# Altium PCB PCB-Tester-Board.PcbDoc (part 5 of 7)
Units mm, origin at the board's own origin, x right, y up, seen from the top; angles counter-clockwise.
Board outline 400 x 300 mm, 8 copper layers (Top Layer, Inner1, Inner2, Inner3, Inner4, Inner5, Inner6, Bottom Layer), stack 1.515 mm thick; 757 components, 658 nets, 2830 pads, 1016 vias.
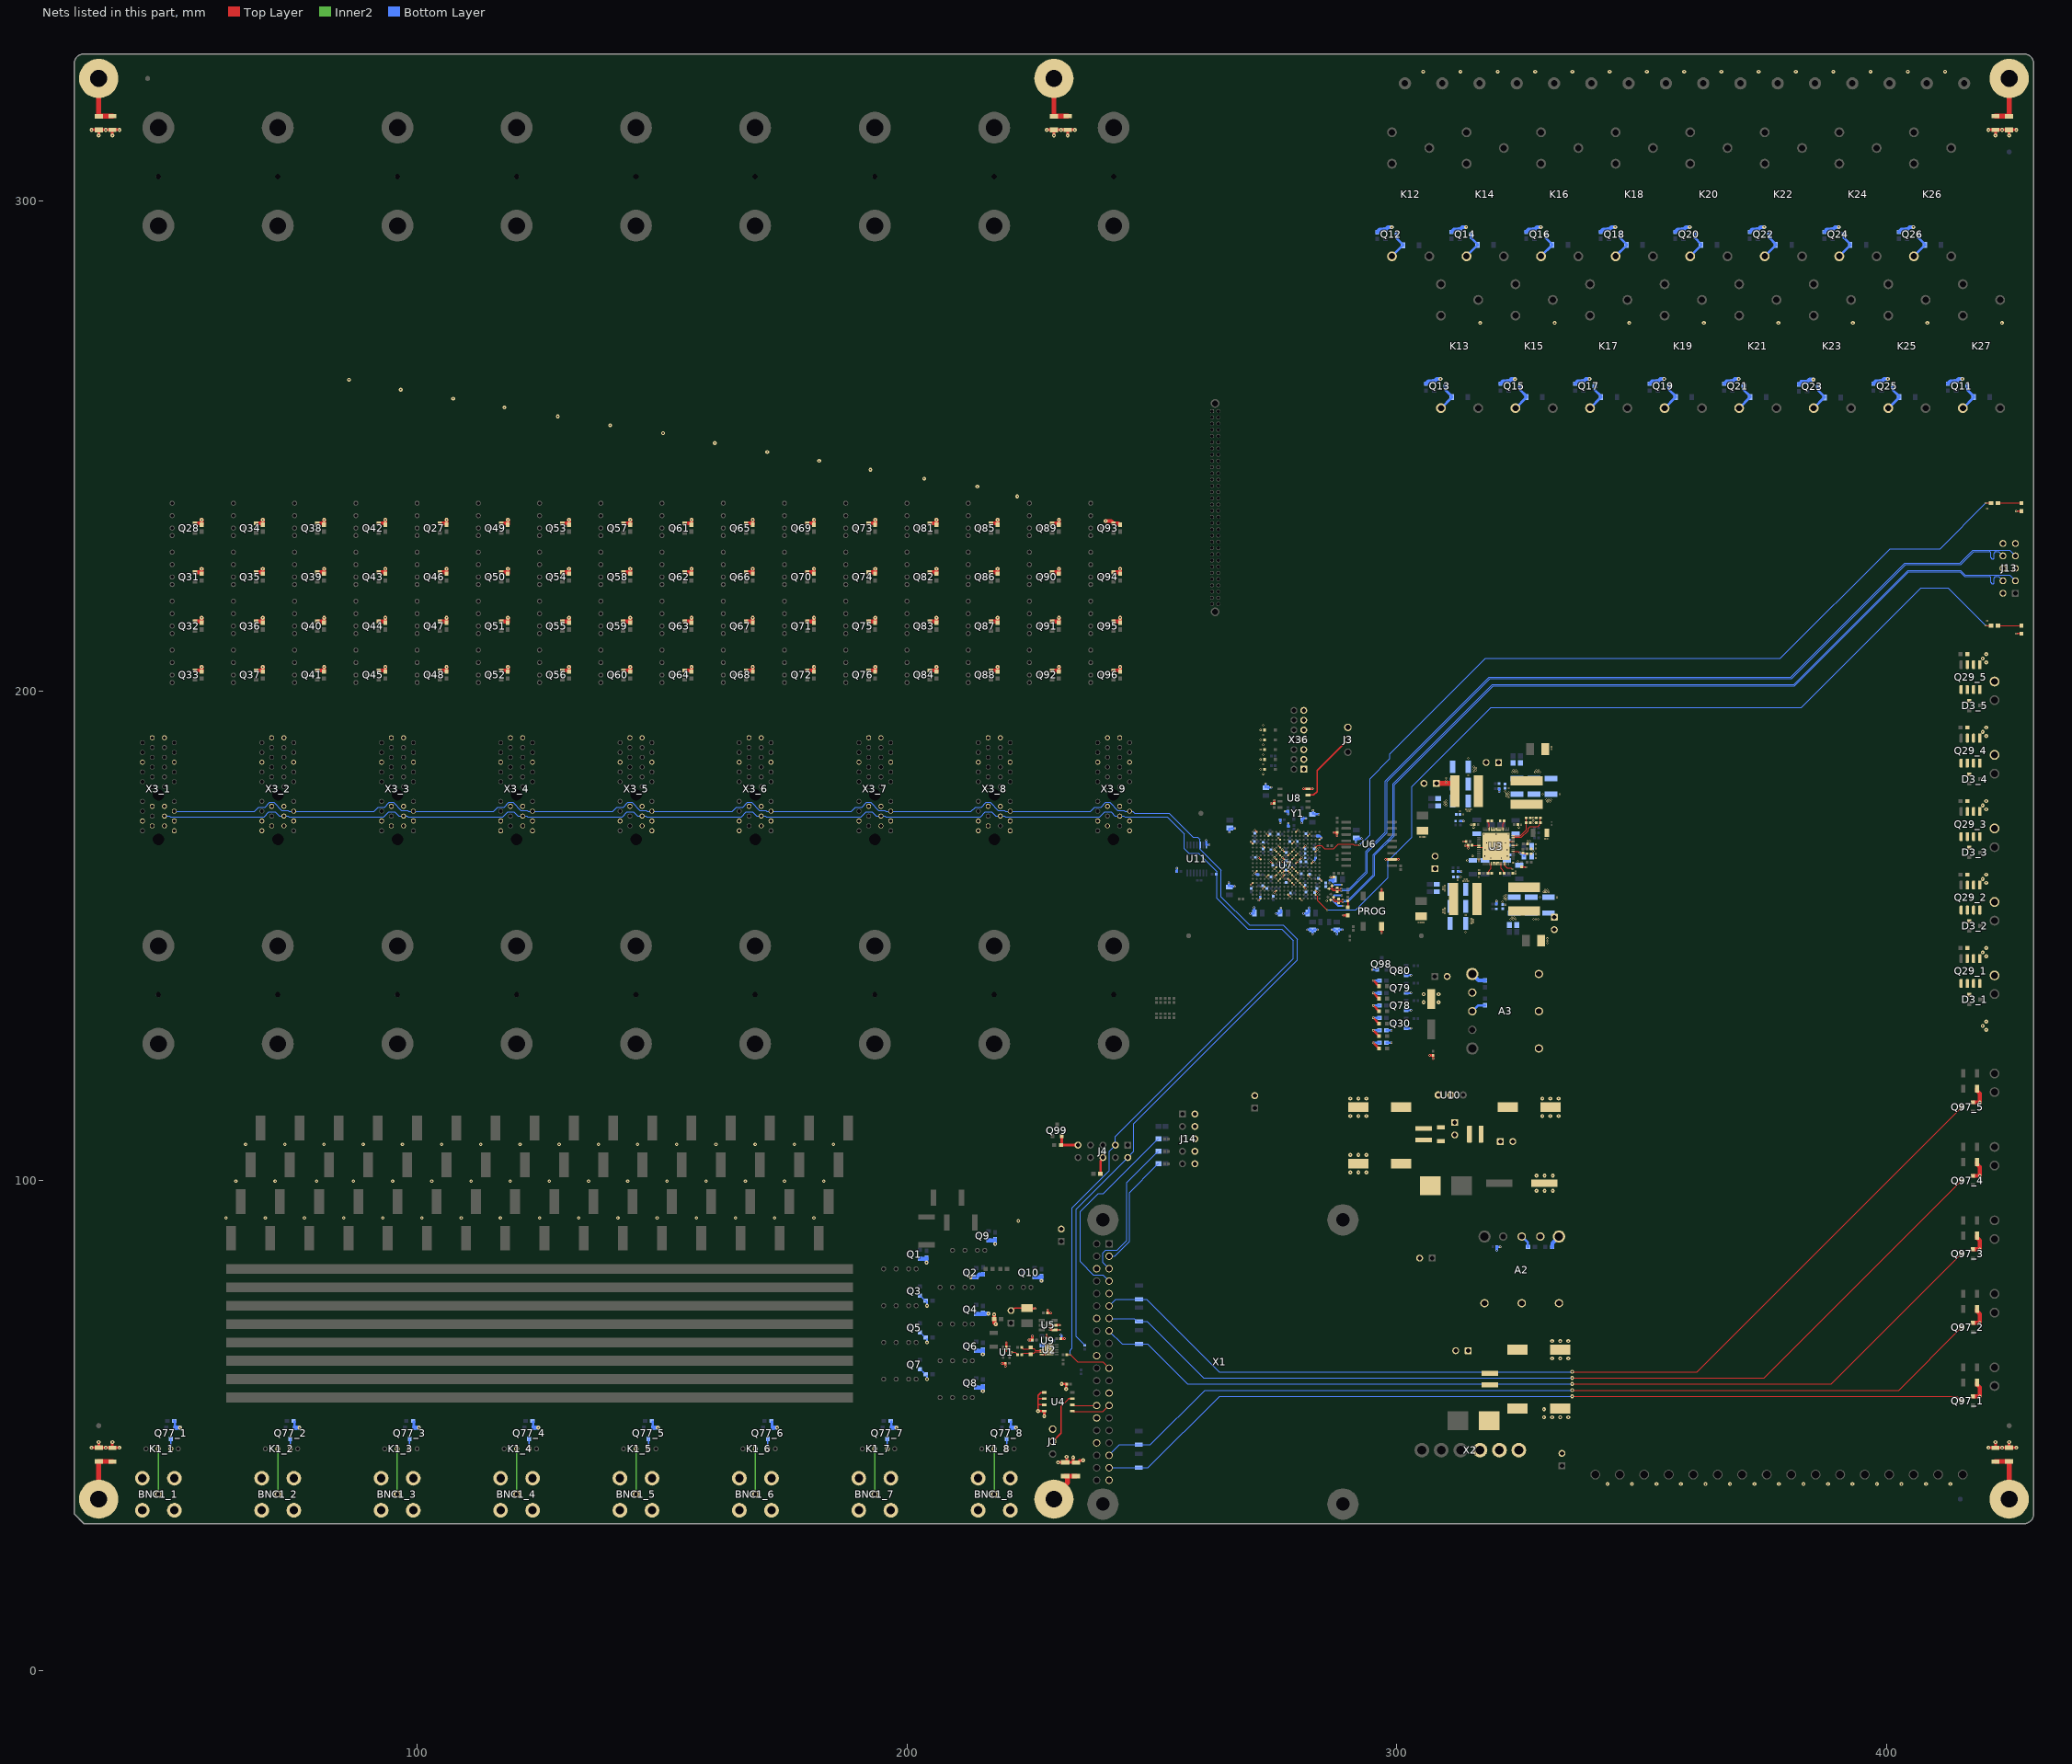
[diagram p11: the nets of this part, all layers, seen from the top]

## Via types
v1: diameter 0.4, hole 0.2, Top Layer to Bottom Layer, 601 vias
v2: diameter 0.8, hole 0.3, Top Layer to Bottom Layer, 361 vias
v3: diameter 0.7, hole 0.3, Top Layer to Bottom Layer, 54 vias

## Nets (pads, with @x,y where several pads share a name; then routed paths per layer and width w, separated by ;. In a path a pad name is that pad's centre, name@x,y a point inside that pad or via, vN(x,y) a via of type N, cw(c..) or ccw(c..) an arc to the next point about the centre after c; other vN are vias at no path point) (continued)
GND: A2.2 A2.3 A2.4 A3.2 A3.3 A3.4 BNC1_1.0 BNC1_2.0 BNC1_3.0 BNC1_4.0 BNC1_5.0 BNC1_6.0 BNC1_7.0 BNC1_8.0 C1.2 C2.2 C4.2 C5.2 C6.2 C7.2 C8.2 C9.2 C10.2 C11.2 C12.2 C13.2 C14.2 C15.2 C16.2 C17.2 C18.2 C19.2 C20.2 C21.2 C22.2 C23.2 C24.2 C25.2 C26.2 C27.2 C28.2 C29.2 C30.2 C31.2 C32.2 C33.2 C34.2 C35.2 C36.1 C37.2 C38.2 C39.2 C41.2 C42.2 C43.2 C44.2 C45.2 C47.2 C48.2 C49.2 C50.2 C51.2 C52.2 C53.2 C54.2 C56.2 C58.2 C59.2 C60.2 C61.2 C62.2 C63.2 C64.2 C65.2 C66.2 C67.2 C68.2 C69.2 C70.2 C71.1 C72.1 C73.1 C74.1 C75.1 C76.1 C77.2 C310.2 C311.2 C312.2 C313.2 C314.2 C315.2 C316.2 C317.2 C318.2 C430.2 C431.2 C432.2 C433.2 C434.2 C435.2 C436.2 C437.2 C438.2 C439.2 C440.2 C441.2 C442.2 C443.2 C444.2 C445.2 C446.2 C447.2 C448.2 C449.2 C450.2 C451.2 C452.2 C453.2 C454.2 C455.2 C456.2 C457.2 C458.2 C459.2 C460.2 C461.2 C462.2 C463.2 C464.2 C465.2 C466.2 C467.2 C468.2 C469.2 C470.1 C470.2 C471.2 C476.2 C477.2 D1.2 D5.1 D6.1 D7.1 D8.1 D13.1 D33.2 D34.2 J1.3 J3.3 J4.6 J4.9 J13.2 J13.5 J13.6 J13.9 J13.10 J14.2 J14.4 J14.6 J14.8 J14.10 PROG.3 PROG.4 Q1.2 Q2.2 Q3.2 Q4.2 Q5.2 Q6.2 Q7.2 Q8.2 Q9.2 Q10.2 Q11.2 Q12.2 Q13.2 Q14.2 Q15.2 Q16.2 Q17.2 Q18.2 Q19.2 Q20.2 Q21.2 Q22.2 Q23.2 Q24.2 Q25.2 Q26.2 Q27.2 Q28.2 Q29_1.2 Q29_2.2 Q29_3.2 Q29_4.2 Q29_5.2 Q30.2 Q31.2 Q32.2 Q33.2 Q34.2 Q35.2 Q36.2 Q37.2 Q38.2 Q39.2 Q40.2 Q41.2 Q42.2 Q43.2 Q44.2 Q45.2 Q46.2 Q47.2 Q48.2 Q49.2 Q50.2 Q51.2 Q52.2 Q53.2 Q54.2 Q55.2 Q56.2 Q57.2 Q58.2 Q59.2 Q60.2 Q61.2 Q62.2 Q63.2 Q64.2 Q65.2 Q66.2 Q67.2 Q68.2 Q69.2 Q70.2 Q71.2 Q72.2 Q73.2 Q74.2 Q75.2 Q76.2 Q77_1.2 Q77_2.2 Q77_3.2 Q77_4.2 Q77_5.2 Q77_6.2 Q77_7.2 Q77_8.2 Q78.2 Q79.2 Q80.2 Q81.2 Q82.2 Q83.2 Q84.2 Q85.2 Q86.2 Q87.2 Q88.2 Q89.2 Q90.2 Q91.2 Q92.2 Q93.2 Q94.2 Q95.2 Q96.2 Q97_1.2 Q97_2.2 Q97_3.2 Q97_4.2 Q97_5.2 Q98.2 Q99.2 R1_1.1 R1_2.1 R1_3.1 R1_4.1 R1_5.1 R1_6.1 R1_7.1 R1_8.1 R2.1 R3.1 R4.1 R5.1 R6.1 R7.1 R8.1 R9.1 R13.1 R14.1 R15.1 R16.1 R17.1 R18.1 R19.1 R20.1 R21.1 R22.1 R23.1 R24.1 R25.1 R26.1 R27.1 R28.1 R29.1 R30.1 R31.1 R32.1 R33.1 R38_1.1 R38_2.1 R38_3.1 R38_4.1 R38_5.1 R40.1 R42.1 R48.1 R49.1 R50.1 R51.1 R52.1 R53.1 R54.1 R55.1 R56.1 R57.1 R58.1 R59.1 R60.1 R61.1 R62.1 R63.1 R64.1 R65.1 R66.1 R67.1 R68.1 R69.1 R70.1 R71.1 R72.1 R73.1 R74.1 R75.1 R76.1 R77.1 R78.1 R79.1 R80.1 R81.1 R82.1 R83.1 R84.1 R85.1 R86.1 R87.1 R88.1 R89.1 R90.1 R91.1 R92.1 R93.1 R95.1 R97.1 R114.2 R117_1.1 R117_2.1 R117_3.1 R117_4.1 R117_5.1 R122.2 R126.2 R133.2 R134.1 R136.1 R137.1 R140.2 R141.1 R143.1 R144.1 R145.1 R146.1 R147.1 R148.1 R149.1 R150.1 R151.1 R152.1 R153.1 R154.1 R155.1 R156.1 R157.1 R158.1 R162.1 R167.1 R168.1 R178.2 R179.2 R180.2 R181.2 R182.2 R183.2 R185.1 R187.1 TP1.2 TP2.2 TP3.2 TP4.2 TP5.2 TP6.2 TP7.2 TP8.2 TP9.2 TP10.2 TP11.2 TP12.2 TP13.2 U1.2 U2.5 U2.11 U3.22 U3.28 U3.40 U3.50 U3.52 U3.57 U4.1 U4.2 U4.3 U4.4 U5.1 U5.2 U6.10 U7.A2 U7.A12 U7.B5 U7.B15 U7.C8 U7.C18 U7.D1 U7.D11 U7.E4 U7.E8 U7.E14 U7.F7 U7.F9 U7.F11 U7.F17 U7.G8 U7.G10 U7.G12 U7.H3 U7.H7 U7.H9 U7.H11 U7.H13 U7.J6 U7.J8 U7.J9 U7.J10 U7.J12 U7.J16 U7.K7 U7.K9 U7.K10 U7.K11 U7.L2 U7.L8 U7.L9 U7.L10 U7.L12 U7.M5 U7.M7 U7.M9 U7.M11 U7.M15 U7.N8 U7.N10 U7.N12 U7.N18 U7.P1 U7.P11 U7.P13 U7.R4 U7.R14 U7.T7 U7.T17 U7.U10 U7.V3 U7.V13 U8.4 U9.1 U10.2 U11.7 X1.6 X1.9 X1.14 X1.20 X1.25 X1.30 X1.34 X1.39 X2.4 X2.5 X2.6 X3_1.A1 X3_1.A6 X3_1.A13 X3_1.A16 X3_1.A17 X3_1.A18 X3_1.B1 X3_1.B6 X3_1.B13 X3_1.B16 X3_1.B17 X3_2.A1 X3_2.A6 X3_2.A13 X3_2.A16 X3_2.A17 X3_2.B1 X3_2.B6 X3_2.B13 X3_2.B16 X3_2.B17 X3_2.B18 X3_3.A1 X3_3.A6 X3_3.A13 X3_3.A16 X3_3.A17 X3_3.B1 X3_3.B6 X3_3.B13 X3_3.B16 X3_3.B17 X3_4.A1 X3_4.A6 X3_4.A13 X3_4.A16 X3_4.A17 X3_4.A18 X3_4.B1 X3_4.B6 X3_4.B13 X3_4.B16 X3_4.B18 X3_5.A1 X3_5.A6 X3_5.A13 X3_5.A16 X3_5.A17 X3_5.A18 X3_5.B1 X3_5.B6 X3_5.B13 X3_5.B16 X3_6.A1 X3_6.A6 X3_6.A13 X3_6.A16 X3_6.A17 X3_6.B1 X3_6.B6 X3_6.B13 X3_6.B16 X3_6.B18 X3_7.A1 X3_7.A6 X3_7.A13 X3_7.A16 X3_7.A17 X3_7.B1 X3_7.B6 X3_7.B13 X3_7.B16 X3_8.A1 X3_8.A6 X3_8.A13 X3_8.A16 X3_8.A18 X3_8.B1 X3_8.B6 X3_8.B13 X3_8.B16 X3_8.B17 X3_8.B18 X3_9.A1 X3_9.A6 X3_9.A13 X3_9.A16 X3_9.A18 X3_9.B1 X3_9.B6 X3_9.B13 X3_9.B16 X3_9.B17 X36.1 X36.3 X36.5 X36.7 X36.9 X36.11 X36.13 Y1.2 | length 431.6
  Top Layer w0.152: v1(221.4,65) 222.099,65 222.401,64.699 R114.2@222.561,64.539 ; v1(270.2,160.4) U7.P1@270.6,160.8 ; v1(270.2,169.2) U7.D1@270.6,168.8 ; v1(271,162.8) U7.L2@271.4,163.2 ; v1(271,171.6) U7.A2@271.4,171.2 ; v1(271.8,157.2) U7.V3@272.2,157.6 ; v1(271.8,166) U7.H3@272.2,165.6 ; v1(272.6,159.6) U7.R4@273,160 ; v1(272.6,168.4) U7.E4@273,168 ; v1(273.4,162) U7.M5@273.8,162.4 ; v1(273.4,170.8) U7.B5@273.8,170.4 ; v1(274.2,165.2) U7.J6@274.6,164.8 ; v1(275,158.8) U7.T7@275.4,159.2 ; v1(275,162) U7.M7@275.4,162.4 ; v1(275,163.6) U7.K7@275.4,164 ; v1(275,166) U7.H7@275.4,165.6 ; v1(275,167.6) U7.F7@275.4,167.2 ; v1(275.8,161.2) U7.N8@276.2,161.6 ; v1(275.8,162.8) U7.L8@276.2,163.2 ; v1(275.8,165.2) U7.J8@276.2,164.8 ; v1(275.8,166.8) U7.G8@276.2,166.4 ; v1(275.8,168.4) U7.E8@276.2,168 ; v1(275.8,170) U7.C8@276.2,169.6 ; v1(276.6,162) U7.M9@277,162.4 ; v1(276.6,162.8) U7.L9@277,163.2 ; v1(276.6,163.6) U7.K9@277,164 ; v1(276.6,165.2) U7.J9@277,164.8 ; v1(276.6,166) U7.H9@277,165.6 ; v1(276.6,167.6) U7.F9@277,167.2 ; U7.U10@277.8,158.4 v1(278.2,158) ; U7.N10@277.8,161.6 v1(278.2,161.2) ; U7.L10@277.8,163.2 v1(278.2,162.8) ; U7.K10@277.8,164 v1(278.2,163.6) ; U7.J10@277.8,164.8 v1(278.2,165.2) ; U7.G10@277.8,166.4 v1(278.2,166.8) ; U7.P11@278.6,160.8 v1(279,160.4) ; U7.M11@278.6,162.4 v1(279,162) ; U7.K11@278.6,164 v1(279,163.6) ; U7.H11@278.6,165.6 v1(279,166) ; U7.F11@278.6,167.2 v1(279,167.6) ; U7.D11@278.6,168.8 v1(279,169.2) ; U7.N12@279.4,161.6 v1(279.8,161.2) ; U7.L12@279.4,163.2 v1(279.8,162.8) ; U7.J12@279.4,164.8 v1(279.8,165.2) ; U7.G12@279.4,166.4 v1(279.8,166.8) ; U7.A12@279.4,171.2 v1(279.8,171.6) ; U7.V13@280.2,157.6 v1(280.6,157.2) ; U7.P13@280.2,160.8 v1(280.6,160.4) ; U7.H13@280.2,165.6 v1(280.6,166) ; U7.R14@281,160 v1(281.4,159.6) ; U7.E14@281,168 v1(281.4,168.4) ; U7.M15@281.8,162.4 v1(282.2,162) ; U7.B15@281.8,170.4 v1(282.2,170.8) ; U7.J16@282.6,164.8 v1(283,165.2) ; U7.T17@283.4,159.2 v1(283.8,158.8) ; U7.F17@283.4,167.2 v1(283.8,167.6) ; U7.N18@284.2,161.6 v1(284.6,161.2) ; U7.C18@284.2,169.6 v1(284.6,170) ; U3.28@316.75,165.65 316.763,165.637 v1(316.763,165.202) ; U3.22@316.75,168.05 320.05,168.05 v1(320.25,168.25) ; U3.40@322.051,164.749 322.051,164.296 322.491,163.857 323.341,163.857 v1(323.571,163.627) ; U3.57@322.631,169.316 322.697,169.25 U3.52@323.75,169.25
  Top Layer w0.22: U3.50@323.75,168.45 324.357,168.45 324.436,168.529 v1(324.473,168.529) v1@324.51,168.529
  Top Layer w0.25: TP2.2@221.227,73.49 221.42,73.49 221.98,74.05 C63.2@224.5,74.05
  Top Layer w0.254: v2(226.762,52.98) 226.762,54.251 ; U4.3@228.01,54.25 226.763,54.25 226.762,54.251 ; U4.2@228.01,55.52 226.765,55.52 226.762,55.523 ; U4.1@228.01,56.79 227.947,56.728 227.292,56.728 226.762,56.198 226.762,55.523 ; v1(286.456,161.966) R162.1@287.137,161.966 ; v1(426.419,211.675) D33.2@427.5,211.675 ; v1(426.419,236.675) D34.2@427.5,236.675 ; 226.762,54.251 226.762,55.523
  Top Layer w0.3: U2.5@227.5,64.5 U2.11@228.25,64.5
  Top Layer w0.305: R122.2@325.5,164.1 325.6,164 v1(326.425,164)
  Top Layer w0.406: v1(220.015,65) 220.218,65.203 220.218,65.868 U1.2@220.25,65.9 ; v1(313.588,169.25) C53.2@314.147,169.25 ; v1(313.944,168.402) 314.53,168.402 314.554,168.378 v1(314.554,167.869)
  Top Layer w0.457: C63.2@225.516,73.903 v1(226.179,73.903) ; C6.2@228.4,68 C6.2@228.5,68 ; v1(228.5,68.6) C6.2@228.5,68 ; v1(228.7,73.664) 228.7,73 v1(229.364,73) ; v1(229,68) C6.2@228.5,68 ; v1(229.15,69.563) U5.1@229.813,69.563 ; v1(229.15,70.513) U5.2@229.813,70.513 ; U5.1@230.5,69.55 v1(231.164,69.55) ; U5.2@230.5,70.5 v1(231.164,70.5) ; v1(274.336,176.995) C36.1@275,176.995 v1(275,177.659) ; v1(287.1,171.1) C37.2@287.8,171.1 v1(287.8,170.436) ; v1(289.05,154.2) D1.2@290,154.2 ; v1(296.85,150.6) PROG.3@296.85,151.3 ; PROG.4@296.85,158.8 v1(296.85,159.5) ; v1(297.7,165.583) U6.10@298.4,165.583 ; U6.10@299.64,165.583 v1(300.34,165.583)
  Top Layer w0.47: U1.2@220.25,65.9 v1(220.25,66.93)
  Top Layer w0.508: v1(219.425,62.7) 219.859,62.7 219.888,62.729 220.079,62.729 C4.2@220.1,62.75 v1(220.1,62.125) ; v1(224.825,67.5) C70.2@225.6,67.5 v1(225.6,68.275) ; v2(226.762,52.98) U4.4@227.773,52.98 ; v2(228.01,51.962) U4.4@228.01,52.973 ; C2.2@231.4,67.75 v1(232.15,67.75) ; R185.1@231.45,107.27 R185.1@231.454,107.27 ; v2(231.582,58.5) C1.2@232.593,58.5 ; Q99.2@231.6,109.1 231.6,107.416 R185.1@231.454,107.27 ; v2(232.5,57.482) C1.2@232.5,58.493 ; J4.9@234.92,107.27 R185.1@231.454,107.27 ; R187.1@239.5,101.4 239.5,103.989 240,104.489 J4.6@240,104.73 ; v1(280.95,180.005) U8.4@281.87,180.005 v1(282.79,180.005) ; v1(306.701,125.6) C62.2@307.4,125.6 v1(307.4,124.9)
  Top Layer w0.559: v2(33.552,45.5) C71.1@34.5,45.5 ; v2(33.552,314.5) C76.1@34.5,314.5 ; C71.1@35,45.7 v2(35,46.648) ; v2(35,313.352) C76.1@35,314.3 ; C71.1@35.104,45.5 v2(36.452,45.5) R178.2@37.4,45.5 ; C76.1@35.104,314.5 v2(36.452,314.5) R183.2@37.4,314.5 ; R178.2@37.8,45.7 v2(37.8,46.648) ; v2(37.8,313.352) R183.2@37.8,314.3 ; R178.2@38.3,45.5 v2(39.248,45.5) ; R183.2@38.3,314.5 v2(39.248,314.5) ; v2(228.552,314.5) C75.1@229.5,314.5 ; v2(230,313.352) C75.1@230,314.3 ; C75.1@230.104,314.5 v2(231.452,314.5) R182.2@232.4,314.5 ; v2(230.852,42.5) C72.1@232.3,42.5 R179.2@234.441,42.5 ; C72.1@232.6,42.7 v2(232.6,43.648) ; v2(232.8,313.352) R182.2@232.8,314.3 ; R182.2@233.3,314.5 v2(234.248,314.5) ; R179.2@233.921,42.575 v2(233.921,43.523) ; R179.2@234.79,42.423 235.293,42.925 v2(235.948,42.925) ; v2(420.752,45.5) R180.2@421.7,45.5 ; v2(420.752,314.5) R181.2@421.7,314.5 ; R180.2@422.2,45.7 v2(422.2,46.648) ; v2(422.2,313.352) R181.2@422.2,314.3 ; R180.2@422.6,45.5 v2(423.548,45.5) C73.1@424.896,45.5 ; R181.2@422.6,314.5 v2(423.548,314.5) C74.1@424.896,314.5 ; C73.1@425,45.7 v2(425,46.648) ; v2(425,313.352) C74.1@425,314.3 ; C73.1@425.5,45.5 v2(426.448,45.5) ; C74.1@425.5,314.5 v2(426.448,314.5)
  Top Layer w0.8: Q33.2@54.65,204.172 R50.1@55.77,204.172 ; Q32.2@54.65,214.172 R49.1@55.77,214.172 ; Q31.2@54.65,224.172 R48.1@55.77,224.172 ; Q28.2@54.65,234.172 55.77,234.172 R33.1@55.97,233.972 ; R50.1@56.02,203.972 v2(56.02,204.88) ; R49.1@56.02,213.972 v2(56.02,214.88) ; R48.1@56.02,223.972 v2(56.02,224.88) ; R33.1@56.02,233.972 v2(56.02,234.88) ; Q37.2@67.15,204.172 R54.1@68.27,204.172 ; Q36.2@67.15,214.172 R53.1@68.27,214.172 ; Q35.2@67.15,224.172 R52.1@68.27,224.172 ; Q34.2@67.15,234.172 68.27,234.172 R51.1@68.47,233.972 ; R54.1@68.52,203.972 v2(68.52,204.88) ; R53.1@68.52,213.972 v2(68.52,214.88) ; R52.1@68.52,223.972 v2(68.52,224.88) ; R51.1@68.52,233.972 v2(68.52,234.88) ; Q41.2@79.65,204.172 R58.1@80.77,204.172 ; Q40.2@79.65,214.172 R57.1@80.77,214.172 ; Q39.2@79.65,224.172 R56.1@80.77,224.172 ; Q38.2@79.65,234.172 R55.1@80.77,234.172 ; R58.1@81.02,203.972 v2(81.02,204.88) ; R57.1@81.02,213.972 v2(81.02,214.88) ; R56.1@81.02,223.972 v2(81.02,224.88) ; R55.1@81.02,233.972 v2(81.02,234.88) ; Q45.2@92.15,204.172 R62.1@93.27,204.172 ; Q44.2@92.15,214.172 R61.1@93.27,214.172 ; Q43.2@92.15,224.172 R60.1@93.27,224.172 ; Q42.2@92.15,234.172 R59.1@93.27,234.172 ; R62.1@93.52,203.972 v2(93.52,204.88) ; R61.1@93.52,213.972 v2(93.52,214.88) ; R60.1@93.52,223.972 v2(93.52,224.88) ; R59.1@93.52,233.972 v2(93.52,234.88) ; Q48.2@104.65,204.172 R65.1@105.77,204.172 ; Q47.2@104.65,214.172 R64.1@105.77,214.172 ; Q46.2@104.65,224.172 R63.1@105.77,224.172 ; Q27.2@104.65,234.172 R32.1@105.77,234.172 ; R65.1@106.02,203.972 v2(106.02,204.88) ; R64.1@106.02,213.972 v2(106.02,214.88) ; R63.1@106.02,223.972 v2(106.02,224.88) ; R32.1@106.02,233.972 v2(106.02,234.88) ; Q52.2@117.15,204.172 R69.1@118.27,204.172 ; Q51.2@117.15,214.172 R68.1@118.27,214.172 ; Q50.2@117.15,224.172 R67.1@118.27,224.172 ; Q49.2@117.15,234.172 R66.1@118.27,234.172 ; R69.1@118.52,203.972 v2(118.52,204.88) ; R68.1@118.52,213.972 v2(118.52,214.88) ; R67.1@118.52,223.972 v2(118.52,224.88) ; R66.1@118.52,233.972 v2(118.52,234.88) ; Q56.2@129.65,204.172 R73.1@130.77,204.172 ; Q55.2@129.65,214.172 R72.1@130.77,214.172 ; Q54.2@129.65,224.172 R71.1@130.77,224.172 ; Q53.2@129.65,234.172 R70.1@130.77,234.172 ; R73.1@131.02,203.972 v2(131.02,204.88) ; R72.1@131.02,213.972 v2(131.02,214.88) ; R71.1@131.02,223.972 v2(131.02,224.88) ; R70.1@131.02,233.972 v2(131.02,234.88) ; Q60.2@142.15,204.172 R77.1@143.27,204.172 ; Q59.2@142.15,214.172 R76.1@143.27,214.172 ; Q58.2@142.15,224.172 R75.1@143.27,224.172 ; Q57.2@142.15,234.172 R74.1@143.27,234.172 ; R77.1@143.52,203.972 v2(143.52,204.88) ; R76.1@143.52,213.972 v2(143.52,214.88) ; R75.1@143.52,223.972 v2(143.52,224.88) ; R74.1@143.52,233.972 v2(143.52,234.88) ; Q64.2@154.65,204.172 R81.1@155.77,204.172 ; Q63.2@154.65,214.172 R80.1@155.77,214.172 ; Q62.2@154.65,224.172 R79.1@155.77,224.172 ; Q61.2@154.65,234.172 R78.1@155.77,234.172 ; R81.1@156.02,203.972 v2(156.02,204.88) ; R80.1@156.02,213.972 v2(156.02,214.88) ; R79.1@156.02,223.972 v2(156.02,224.88) ; R78.1@156.02,233.972 v2(156.02,234.88) ; Q68.2@167.15,204.172 R85.1@168.27,204.172 ; Q67.2@167.15,214.172 R84.1@168.27,214.172 ; Q66.2@167.15,224.172 R83.1@168.27,224.172 ; Q65.2@167.15,234.172 R82.1@168.27,234.172 ; R85.1@168.52,203.972 v2(168.52,204.88) ; R84.1@168.52,213.972 v2(168.52,214.88) ; R83.1@168.52,223.972 v2(168.52,224.88) ; R82.1@168.52,233.972 v2(168.52,234.88) ; Q72.2@179.65,204.172 R89.1@180.77,204.172 ; Q71.2@179.65,214.172 R88.1@180.77,214.172 ; Q70.2@179.65,224.172 R87.1@180.77,224.172 ; Q69.2@179.65,234.172 R86.1@180.77,234.172 ; R89.1@181.02,203.972 v2(181.02,204.88) ; R88.1@181.02,213.972 v2(181.02,214.88) ; R87.1@181.02,223.972 v2(181.02,224.88) ; R86.1@181.02,233.972 v2(181.02,234.88) ; Q76.2@192.15,204.172 R93.1@193.27,204.172 ; Q75.2@192.15,214.172 R92.1@193.27,214.172 ; Q74.2@192.15,224.172 R91.1@193.27,224.172 ; Q73.2@192.15,234.172 R90.1@193.27,234.172 ; R93.1@193.52,203.972 v2(193.52,204.88) ; R92.1@193.52,213.972 v2(193.52,214.88) ; R91.1@193.52,223.972 v2(193.52,224.88) ; R90.1@193.52,233.972 v2(193.52,234.88) ; Q84.2@204.65,204.172 R146.1@205.77,204.172 ; Q83.2@204.65,214.172 R145.1@205.77,214.172 ; Q82.2@204.65,224.172 R144.1@205.77,224.172 ; Q81.2@204.65,234.172 R143.1@205.77,234.172 ; R146.1@206.02,203.972 v2(206.02,204.88) ; R145.1@206.02,213.972 v2(206.02,214.88) ; R144.1@206.02,223.972 v2(206.02,224.88) ; R143.1@206.02,233.972 v2(206.02,234.88) ; Q88.2@217.15,204.172 R150.1@218.27,204.172 ; Q87.2@217.15,214.172 R149.1@218.27,214.172 ; Q86.2@217.15,224.172 R148.1@218.27,224.172 ; Q85.2@217.15,234.172 R147.1@218.27,234.172 ; v2(217.8,72.683) R13.1@217.8,71.75 217.85,71.75 217.85,70.988 v2(218.111,70.728) ; R150.1@218.52,203.972 v2(218.52,204.88) ; R149.1@218.52,213.972 v2(218.52,214.88) ; R148.1@218.52,223.972 v2(218.52,224.88) ; R147.1@218.52,233.972 v2(218.52,234.88) ; Q92.2@229.65,204.172 R154.1@230.77,204.172 ; Q91.2@229.65,214.172 R153.1@230.77,214.172 ; Q90.2@229.65,224.172 R152.1@230.77,224.172 ; Q89.2@229.65,234.172 R151.1@230.77,234.172 ; R154.1@231.02,203.972 v2(231.02,204.88) ; R153.1@231.02,213.972 v2(231.02,214.88) ; R152.1@231.02,223.972 v2(231.02,224.88) ; R151.1@231.02,233.972 v2(231.02,234.88) ; v2(240.538,234.672) 241.688,234.672 Q93.2@242.188,234.172 ; Q96.2@242.15,204.172 R158.1@243.27,204.172 ; Q95.2@242.15,214.172 R157.1@243.27,214.172 ; Q94.2@242.15,224.172 R156.1@243.27,224.172 ; Q93.2@242.15,234.172 Q93.2@242.188,234.172 ; R155.1@243.5,233.922 243.5,233.972 243.369,233.972 243.169,234.172 Q93.2@242.188,234.172 ; R158.1@243.52,203.972 v2(243.52,204.88) ; R157.1@243.52,213.972 v2(243.52,214.88) ; R156.1@243.52,223.972 v2(243.52,224.88) ; Q97_1.2@417.6,56 v3(419,56) 419,57.802 418.425,58.377 418.425,58.777 R117_1.1@418.4,58.802 ; Q97_2.2@417.6,71 v3(419,71) 419,72.802 418.425,73.377 418.425,73.777 R117_2.1@418.4,73.802 ; Q97_3.2@417.6,86 v3(419,86) 419,87.802 418.425,88.377 418.425,88.777 R117_3.1@418.4,88.802 ; Q97_4.2@417.6,101 v3(419,101) 419,102.802 418.425,103.377 418.425,103.777 R117_4.1@418.4,103.802 ; Q97_5.2@417.6,116 v3(419,116) 419,117.802 418.425,118.377 418.425,118.777 R117_5.1@418.4,118.802
  Bottom Layer w0.305: Q3.2@202.63,76.53 202.878,76.282 202.973,76.282 203.502,75.753 203.502,75.748 203.75,75.5 R4.1@203.8,75.5 203.85,75.5 204.098,75.252 204.098,75.202 204.1,75.2 v2(204.1,74.5) ; Q7.2@202.973,61.282 R8.1@203.502,60.753 ; Q5.2@202.973,68.782 R6.1@203.502,68.253 ; v2(204.1,59.5) R8.1@204.1,60.2 ; v2(204.1,67) R6.1@204.1,67.7
  Bottom Layer w0.35: v1(261.1,169.552) 261.1,168.5 261.2,168.6 v1(261.704,168.6)
  Bottom Layer w0.381: v1(271,162.8) 271.005,162.8 271.221,162.585 271.615,162.585 C461.2@271.7,162.5 ; v1(271.8,157.2) 271.8,157.205 272.015,157.421 272.015,157.816 C460.2@272.1,157.9 ; v1(283,165.2) 283.315,165.516 283.315,165.816 C448.2@283.4,165.9 ; C442.2@284,161.7 284.084,161.615 284.185,161.615 v1(284.6,161.2) ; 286.779,157.356 288.035,156.1 v1(289,156.1) ; 287.138,158.229 v1(288.785,158.229) ; 287.22,160.407 v1(288.746,160.407)
  Bottom Layer w0.457: C456.2@265.7,160.175 v1(265.7,160.839) ; v1(265.8,171.136) C463.2@265.8,171.8 ; C456.2@266.2,160.075 v1(266.864,160.075) ; C463.2@266.3,171.9 v1(266.964,171.9) ; v1(270.086,154.55) C310.2@270.75,154.55 ; C310.2@270.85,155.05 270.8,155.1 270.86,155.16 v1(270.86,155.764) ; C451.2@273.2,180.4 v1(273.2,181.064) ; C451.2@273.7,180.3 v1(274.364,180.3) ; v1(275.336,154.525) C436.2@276,154.525 ; C436.2@276.2,154.625 276.41,154.835 276.358,154.886 v1(276.358,155.684) ; v1(276.2,173.036) C453.2@276.2,173.7 ; v1(277.136,175.4) C17.2@277.8,175.4 v1(277.8,174.836) ; v1(277.84,172.959) 277.84,172.36 C452.2@277.9,172.3 ; v1(280.625,173.036) Y1.2@280.625,173.7 ; Y1.2@280.795,173.95 v1(281.459,173.95) ; v1(280.936,154.55) C318.2@281.6,154.55 ; v1(281.741,151.24) C10.2@282.404,151.24 ; C318.2@281.8,154.65 282.046,154.896 282.046,155.68 v1(282.097,155.731) ; v1(282.792,150.369) C10.2@282.792,151.032 ; C316.2@282.9,174.9 v1(282.9,175.564) ; C10.2@283.173,151.232 v1(283.836,151.232) ; C316.2@283.4,174.8 v1(284.064,174.8) ; 286.3,161.3 286.519,161.3 286.587,161.368 C437.2@287.05,160.905 ; v1(286.693,151.24) C9.2@287.357,151.24 ; C437.2@287.15,161.405 C437.2@287.15,162.069 ; v1(287.742,150.336) C9.2@287.742,151 ; C9.2@288.2,151.224 v1(288.864,151.224) ; v1(291.611,169.111) C444.2@291.611,169.775 ; C444.2@292.111,169.875 v1(292.775,169.875) ; R97.1@312.544,163.119 v1(313.131,163.119) ; R134.1@312.995,173.412 313.002,173.406 v1(313.588,173.406) ; R95.1@320.345,156.487 v1(320.345,157.074) ; v1(320.874,179.442) R141.1@320.874,180.029